# Altium PCB PCB1.PcbDoc
Units mm, origin at the board's own origin, x right, y up, seen from the top; angles counter-clockwise.
Board outline 55 x 74.5 mm, 2 copper layers (Top Layer, Bottom Layer); 3 components, 6 nets, 45 pads, 4 vias.
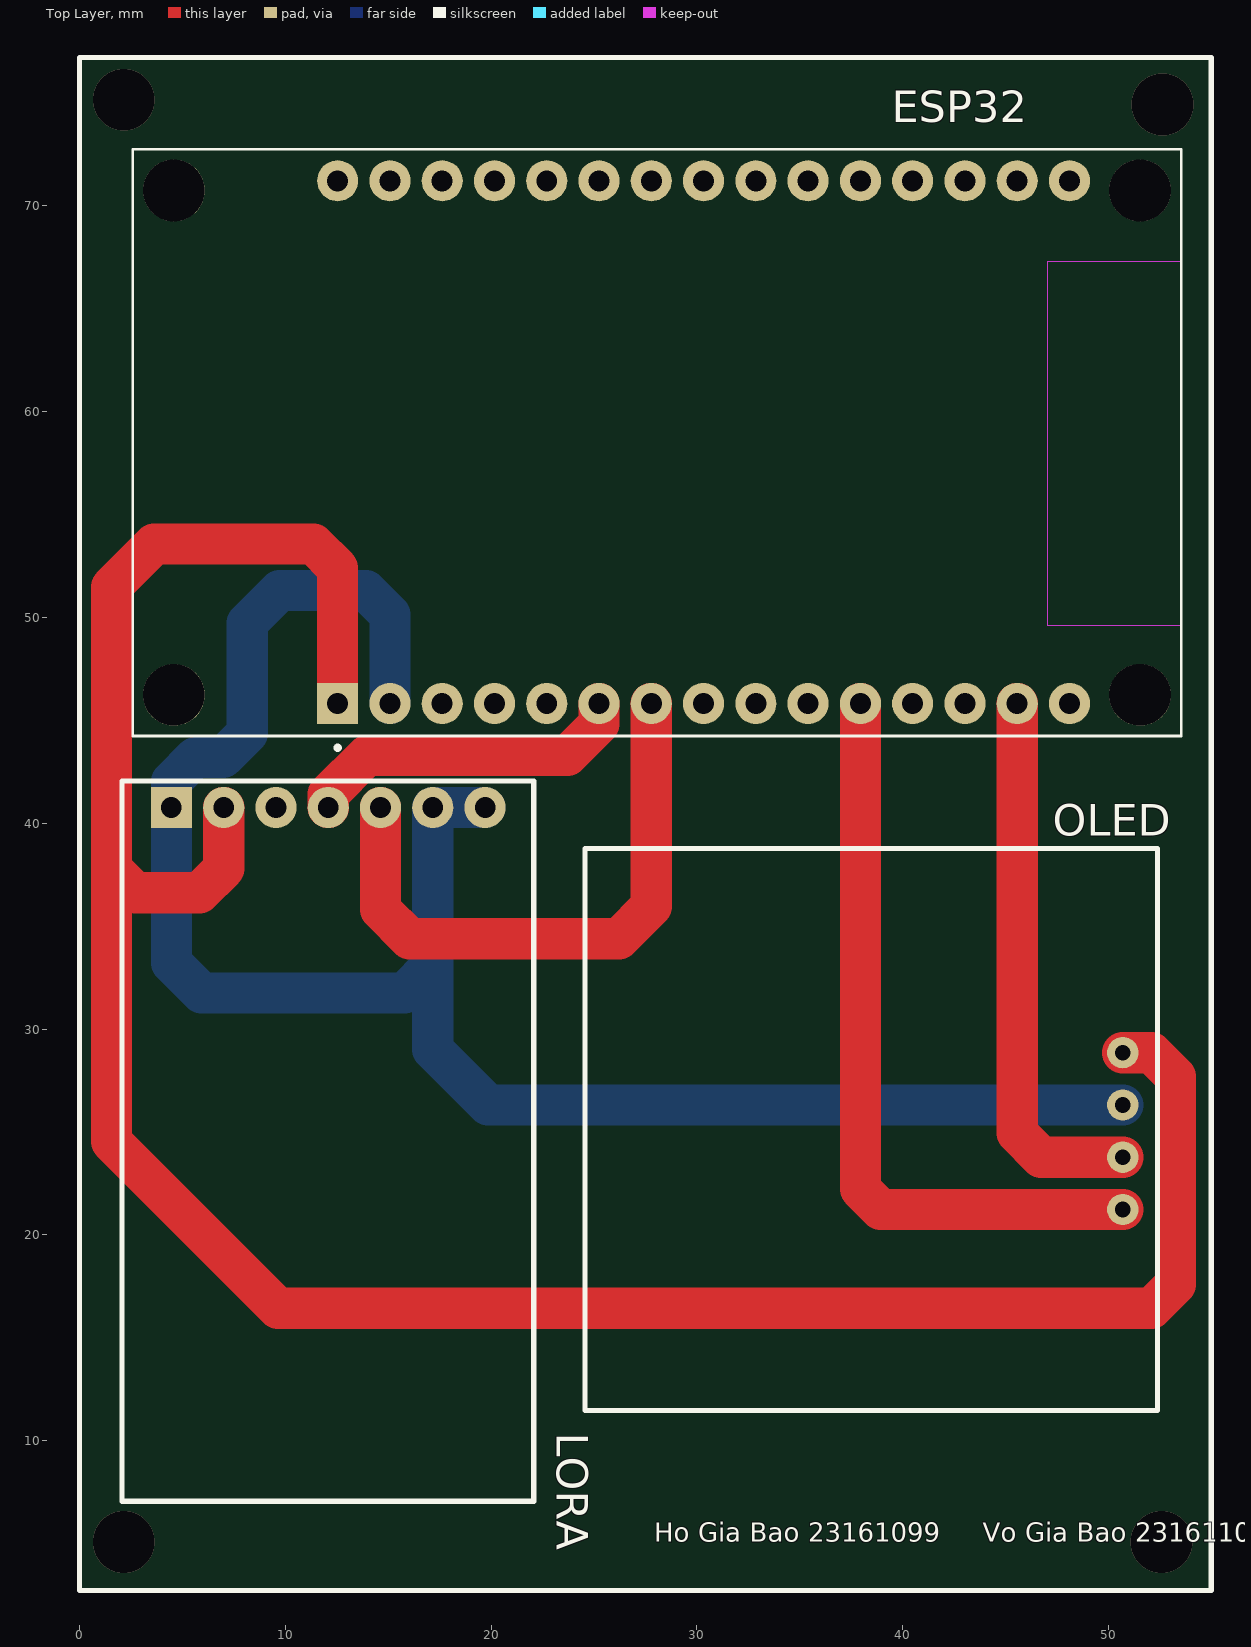
[diagram p0: Top Layer view]
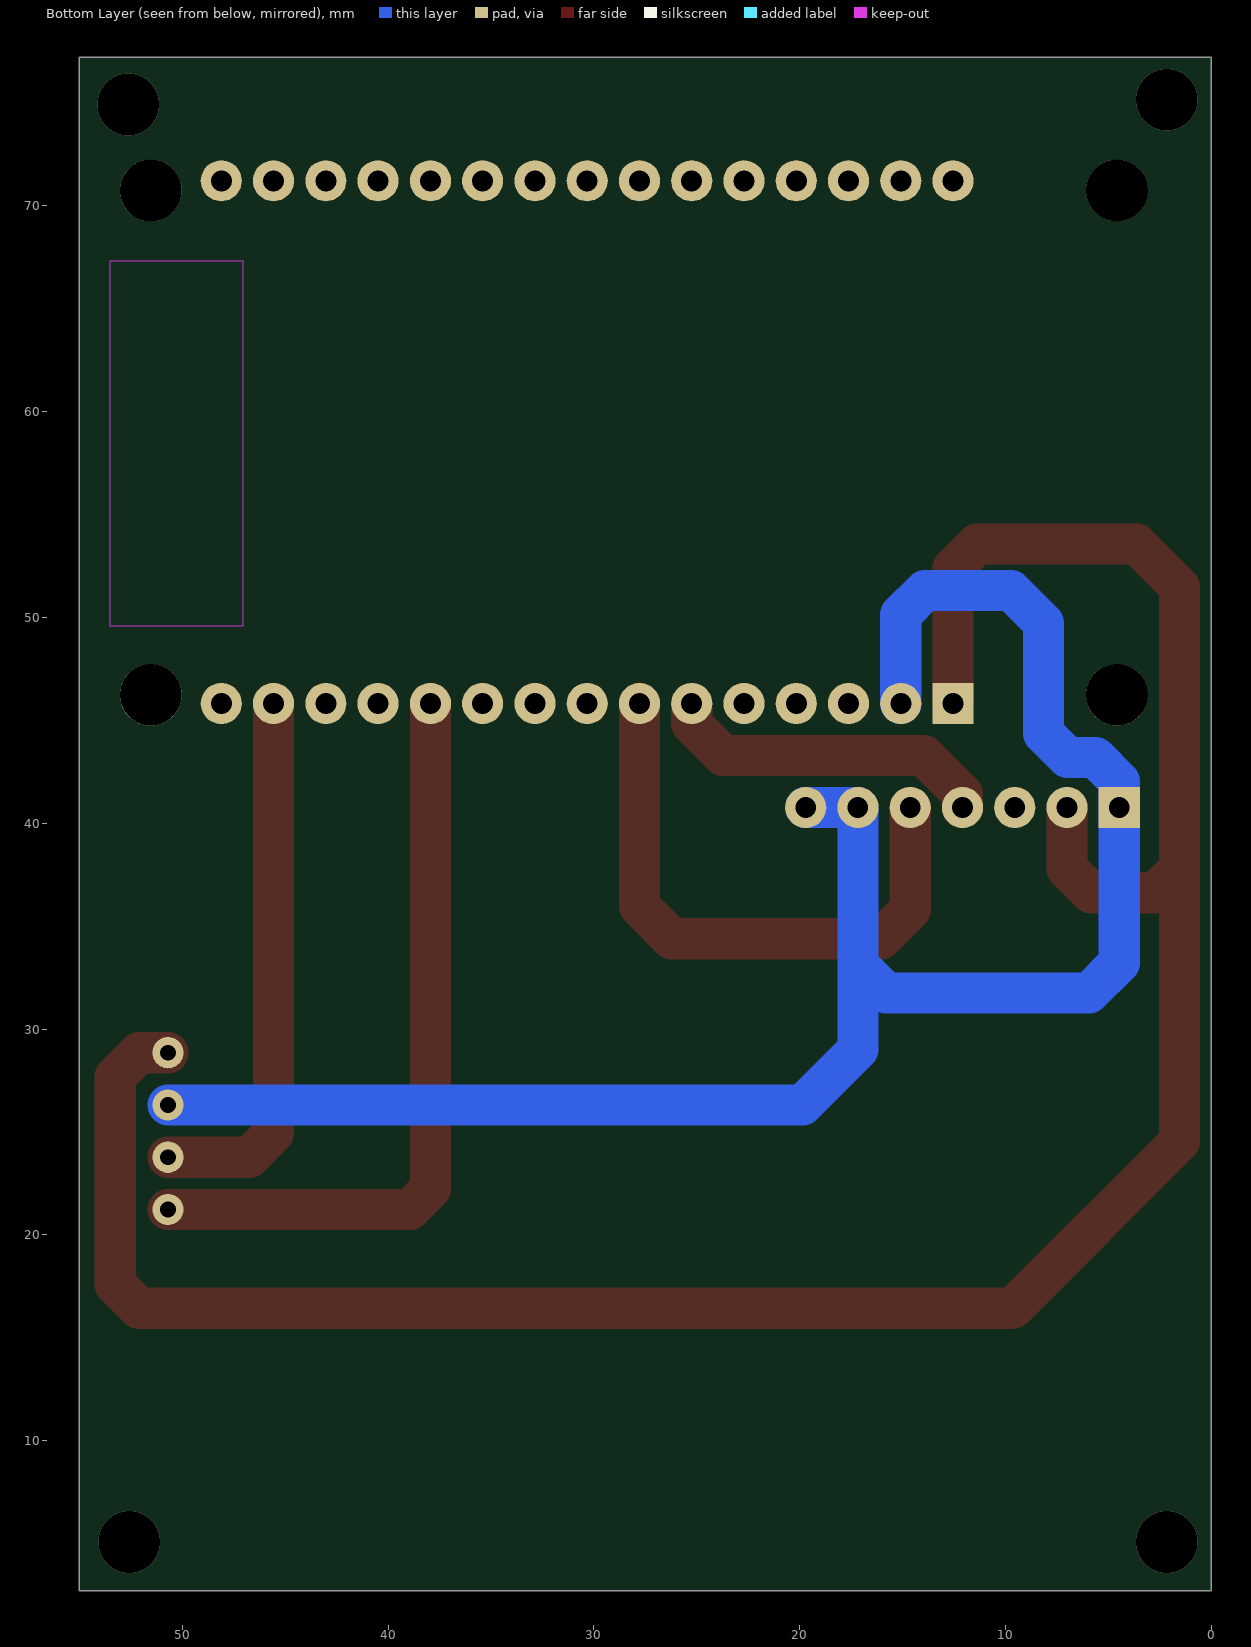
[diagram p1: Bottom Layer view, seen from below]
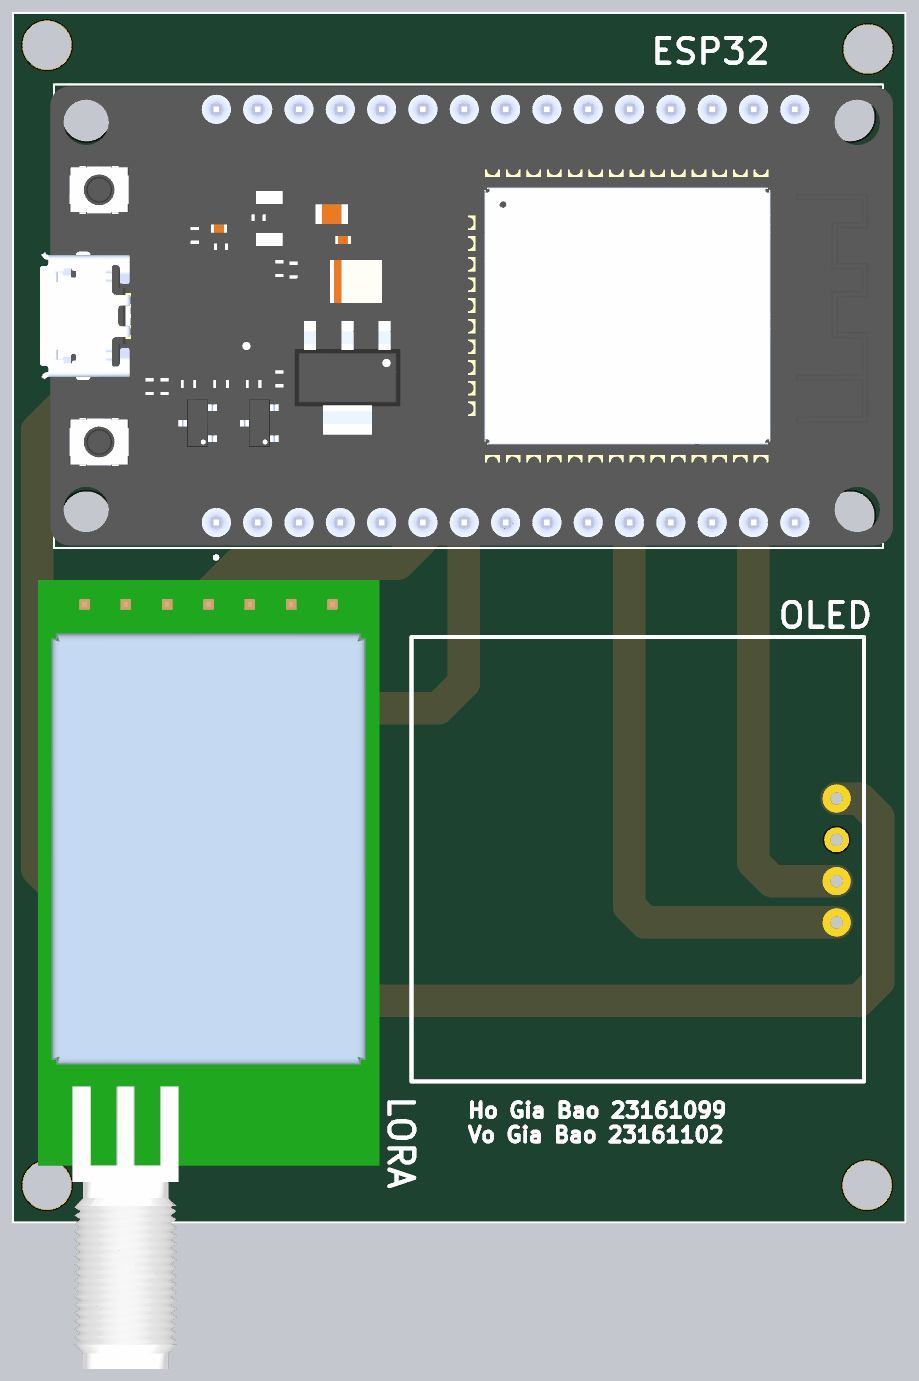
[diagram p2: 3D render of the assembled board from above, using the file's embedded part models]

## Layer stack, top to bottom
Top Solder: solder mask 0.0102, Solder Resist, Dk 3.5
Top Layer: signal copper 0.0356
Dielectric 1: dielectric 0.32, FR-4, Dk 4.8
Bottom Layer: signal copper 0.0356
Bottom Solder: solder mask 0.0102, Solder Resist, Dk 3.5

## Board outline
0,2.718 0,77.216 55,77.216 55,2.718

## Design rules (kind name [scope] priority, off if disabled: settings)
Clearance [All] p1: gap=0.254 ignorepadtopadclearanceinfootprint=FALSE
PolygonConnect [All] p1: connectstyle=Relief reliefconductorwidth=0.254 reliefentries=4 polygonreliefangle="90 Angle" airgapwidth=0.254
RoutingVias [All] p1: holewidth=0.711 width=1.27 viastyle="Through Hole" minholewidth=0.711 minwidth=1.27 maxholewidth=0.711 maxwidth=1.27
SolderMaskExpansion [All] p1: expansion=0.102 istentingtop=FALSE
Width [All] p1: maxlimit=2 minlimit=2 preferedwidth=2
30 further rules are at their usual default settings.

## Components (designator, comment, footprint, x,y, rotation, side; value= is the part's Value field where it differs from the comment)
ESP32 "ESP32-DEVKIT-V1" MODULE_ESP32_DEVKIT_V1 12.548,45.822 r90 top
LORA "" LORA-E32 4.47,40.767 r90 top
OLED "OLED SSD1306" SSD1306 50.652,28.867 r270 top

## Footprints (in the part's own frame and the unit in brackets; to place one, negate y for a bottom-side part, rotate by r counter-clockwise, add the part's x,y. Pads: shape width x height; smd on the part's side, far side on the other; paste and mask are expansions set on the pad)
LORA-E32 [mm] "Design By @Alixahedi"
  rect 2x2 hole 1: 1(0,0)
  round 2 hole 1: 2(0,-2.54) 3(0,-5.08) 4(0,-7.62) 5(0,-10.16) 6(0,-12.7) 7(0,-15.24)
  silkscreen extent -33.71,-17.6 1.29,2.4, body extent -46.98,-18.12 1.52,2.88, height 8.1
MODULE_ESP32_DEVKIT_V1 [mm]
  rect 2x2 / inner round 2 / far side rect 2x2 hole 1.02: 1(0,0)
  round 2 hole 1.02: 2(0,-2.54) 3(0,-5.08) 4(0,-7.62) 5(0,-10.16) 6(0,-12.7) 7(0,-15.24) 8(0,-17.78) 9(0,-20.32) 10(0,-22.86) 11(0,-25.4) 12(0,-27.94) 13(0,-30.48) 14(0,-33.02) 15(0,-35.56) 16(25.4,-35.56) 17(25.4,-33.02) 18(25.4,-30.48) 19(25.4,-27.94) 20(25.4,-25.4) 21(25.4,-22.86) 22(25.4,-20.32) 23(25.4,-17.78) 24(25.4,-15.24) 25(25.4,-12.7) 26(25.4,-10.16) 27(25.4,-7.62) 28(25.4,-5.08) 29(25.4,-2.54) 30(25.4,0)
  round 3 hole 3 unplated: ""(0.42,7.96) ""(0.42,-38.99) ""(24.93,7.96) ""(24.93,-38.99)
  Keep-Out Layer region: 21.48,-40.99 3.79,-40.99 3.79,-34.5 21.48,-34.5
  Keep-Out Layer region: 21.48,-40.99 3.79,-40.99 3.79,-34.5 21.48,-34.5
  silkscreen extent -2.25,-40.99 26.93,9.96, body extent -1.4,-41.62 26.8,10.83, height 7.05
SSD1306 [mil]
  round 60 hole 30: 1(0.49,1.82) 2(100.49,1.82) 3(200.49,1.82) 4(300.49,1.82)
  silkscreen extent -390,-1027 685,68, body extent -342,-1014 643,57, height 106

## Part data
ESP32: "Dual core, Wi-Fi: 2.4 GHz up to 150 Mbits/s,BLE (Bluetooth Low Energy) and legacy Bluetooth, 32 bits, Up to 240 MHz", Package=None, Check_prices=https://www.snapeda.com/parts/ESP32-DEVKIT-V1/Do+it/view-part/?ref=eda, MF="Do it", MP=ESP32-DEVKIT-V1, SnapEDA_Link=https://www.snapeda.com/parts/ESP32-DEVKIT-V1/Do+it/view-part/?ref=snap
LORA: library part LORA-E32, "Design By @Alixahedi"
OLED: library part SSD1306

## Via types
v1: diameter 3, hole 3, Top Layer to Bottom Layer, 4 vias

## Nets (pads, with @x,y where several pads share a name; then routed paths per layer and width w, separated by ;. In a path a pad name is that pad's centre, name@x,y a point inside that pad or via, vN(x,y) a via of type N, cw(c..) or ccw(c..) an arc to the next point about the centre after c; other vN are vias at no path point)
3.3V: ESP32.1 LORA.2 OLED.1 | length 124
  Top Layer w2: LORA.2 7.01,37.798 5.839,36.627 2.721,36.627 1.549,37.798 ; ESP32.1 12.548,52.397 11.376,53.569 3.632,53.569 1.549,51.486 1.549,37.798 ; OLED.1 52.092,28.854 53.264,27.683 53.264,17.605 52.092,16.434 9.652,16.434 1.549,24.536 1.549,37.798
GND: ESP32.2 LORA.1 LORA.6 LORA.7 OLED.2 | length 94
  Bottom Layer w2: ESP32.2 15.088,50.136 13.916,51.308 9.728,51.308 8.153,49.733 8.153,44.377 6.982,43.205 5.642,43.205 4.47,42.034 LORA.1 4.47,33.223 5.944,31.75 15.799,31.75 17.17,33.122 ; LORA.7 LORA.6 17.17,33.122 ; OLED.2 19.863,26.314 17.17,29.007 17.17,33.122
RX: ESP32.7 LORA.5 | length 29.2
  Top Layer w2: LORA.5 14.63,35.814 16.053,34.392 26.213,34.392 27.788,35.966 ESP32.7
SCL: ESP32.14 OLED.3 | length 26.5
  Top Layer w2: ESP32.14 45.568,24.946 46.739,23.774 OLED.3
SDA: ESP32.11 OLED.4 | length 36.8
  Top Layer w2: ESP32.11 37.948,22.225 38.938,21.234 OLED.4
TX: ESP32.6 LORA.4 | length 16.2
  Top Layer w2: LORA.4 12.09,41.415 13.97,43.294 23.72,43.294 25.248,44.822 ESP32.6
pads on no net: ESP32. ESP32.3 ESP32.4 ESP32.5 ESP32.8 ESP32.9 ESP32.10 ESP32.12 ESP32.13 ESP32.15 ESP32.16 ESP32.17 ESP32.18 ESP32.19 ESP32.20 ESP32.21 ESP32.22 ESP32.23 ESP32.24 ESP32.25 ESP32.26 ESP32.27 ESP32.28 ESP32.29 ESP32.30 LORA.3
copper on no net:
  other v1: 2.159,5.08 52.578,5.08 52.629,74.93 2.159,75.159

## Silkscreen, mask and mechanical layers (free items; w line width, h text height)
Top Overlay:
  the board outline again, w0.254
  text "Ho Gia Bao 23161099     Vo Gia Bao 23161102" at 27.94,5.08 h0.93